# Altium PCB myPCB.PcbDoc (part 2 of 2)
Units mil, origin at the board's own origin, x right, y up, seen from the top; angles counter-clockwise.
Board outline 3914 x 3499.3 mil, 2 copper layers (Top Layer, Bottom Layer); 61 components, 196 nets, 504 pads, 74 vias.
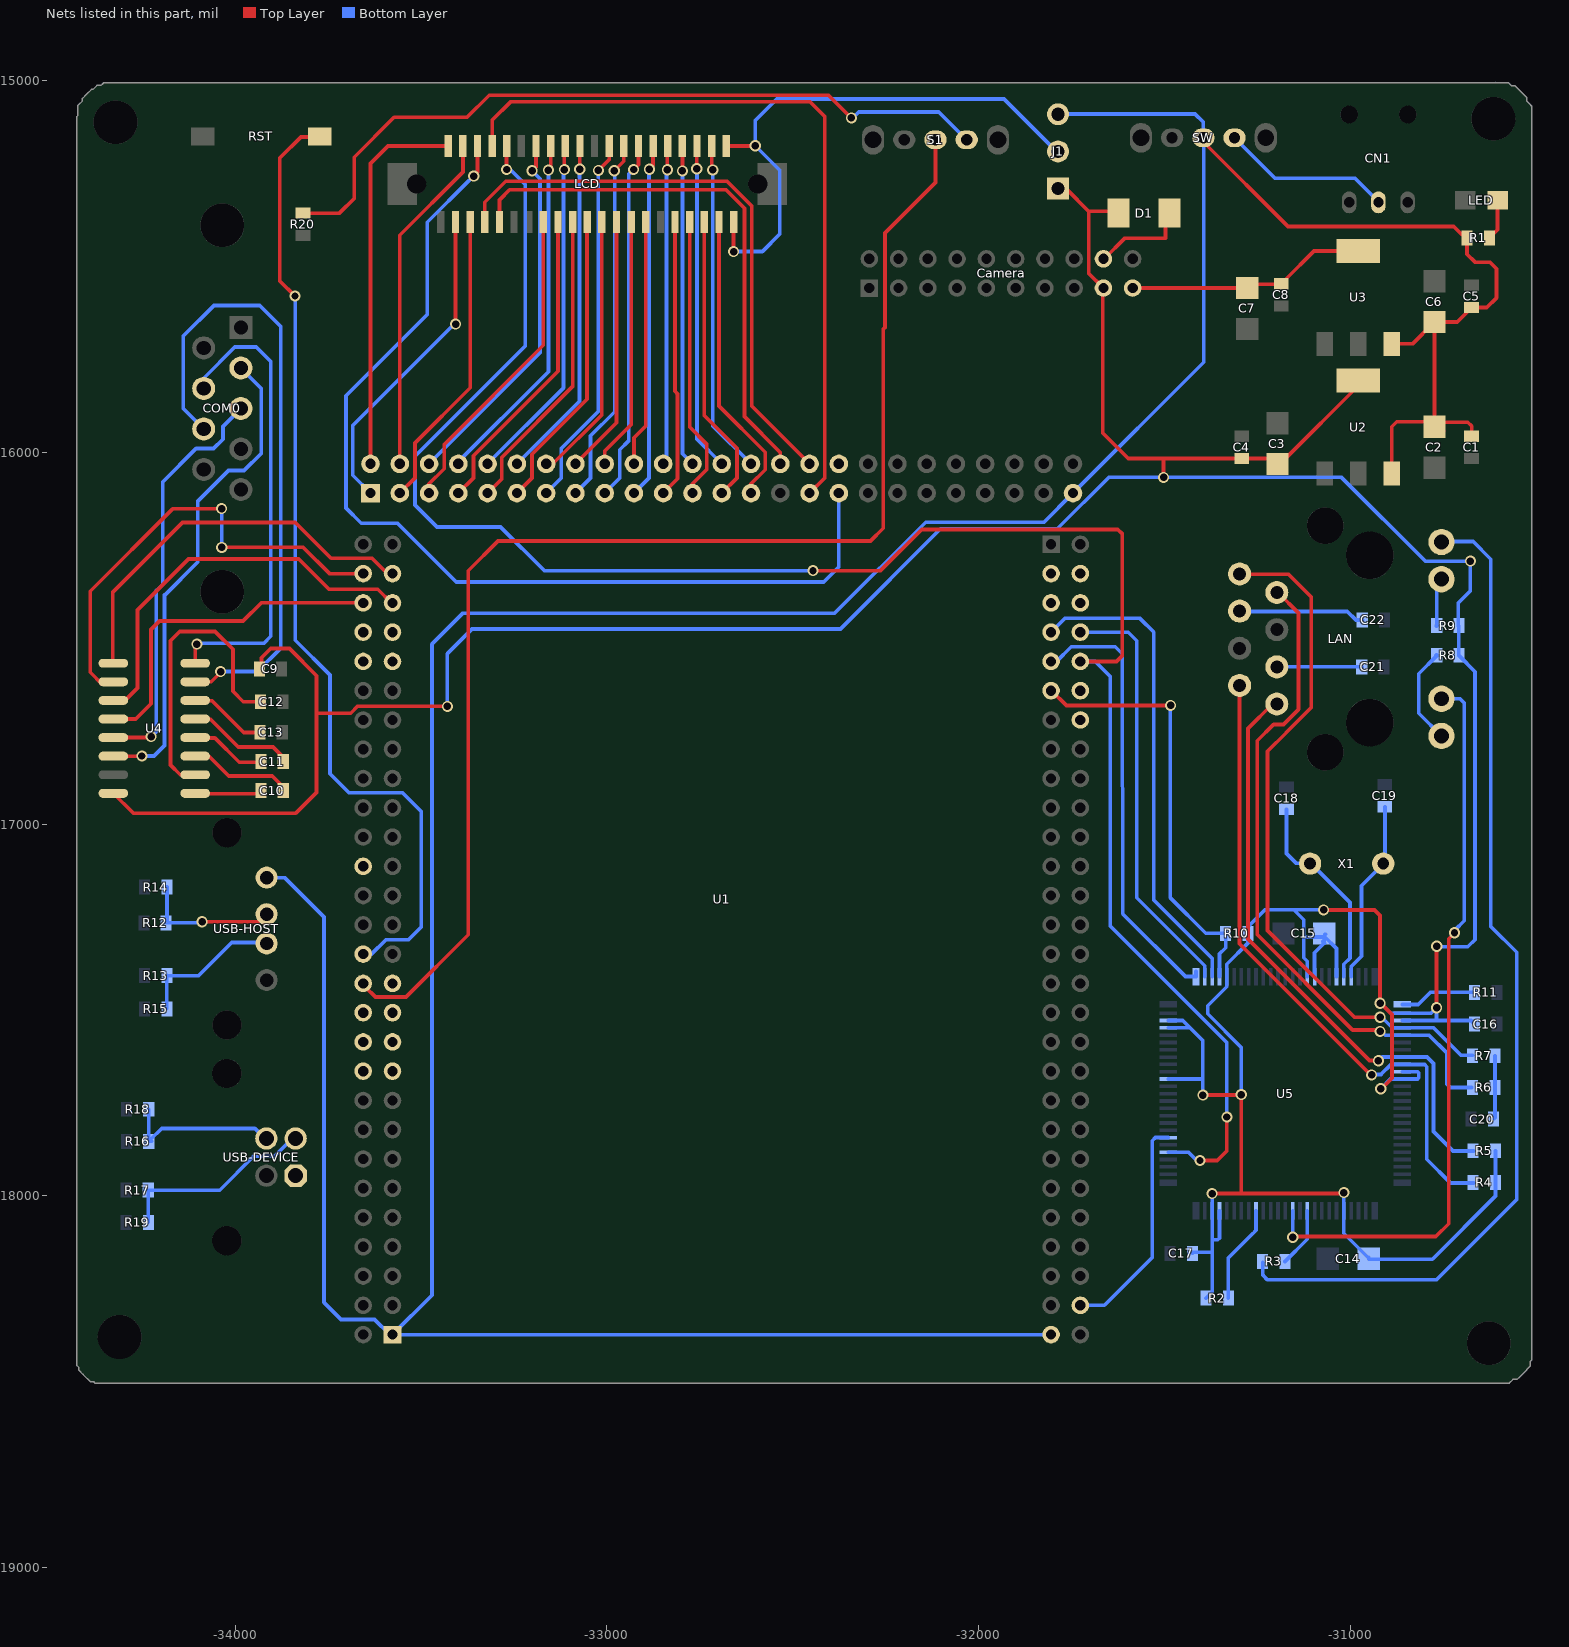
[diagram p2: the nets of this part, all layers, seen from the top]

## Via types
v1: diameter 30, hole 20, Top Layer to Bottom Layer, 73 vias
v2: diameter 30, hole 20, Top Layer to Bottom Layer, tented top, 1 vias

## Nets (pads, with @x,y where several pads share a name; then routed paths per layer and width w, separated by ;. In a path a pad name is that pad's centre, name@x,y a point inside that pad or via, vN(x,y) a via of type N, cw(c..) or ccw(c..) an arc to the next point about the centre after c; other vN are vias at no path point) (continued)
LDATA15: U1.PC54 U5.82 | length 607.4
  Bottom Layer w10: U1.PC54@-31726.39,-18294.87 -31661.68,-18294.87 -31533.08,-18166.26 -31533.08,-17852.21 -31524.41,-17843.54 U5.82@-31489.87,-17843.54
LEND: U1.PB34
LNGCS1: U1.PC3
LNGCS2: U1.PC5
LNGCS3: U1.PC4
LNGCS4: U1.PC7 U5.3 | length 1298.6
  Bottom Layer w10: U1.PC7@-31805.13,-16483.84 -31768.11,-16446.82 -31566.03,-16446.82 -31529.07,-16483.77 -31529.07,-16493.32 -31529.12,-17168.46 -31529.12,-17204.69 -31371.76,-17362.05 U5.3@-31371.76,-17410.47
LNOE: U1.PC9 U5.1 | length 1196.2
  Bottom Layer w10: U1.PC9@-31805.13,-16562.58 -31790.16,-16562.58 -31750.81,-16523.24 -31632.2,-16523.24 -31613.44,-16542 -31613.44,-16560.89 -31612.32,-17241.7 -31443.55,-17410.47 U5.1@-31415.06,-17410.47 U5.1@-31415.06,-17396.94
LNWBE1: U1.PC6
LNWE: U1.PC8 U5.2 | length 1140.9
  Bottom Layer w10: U1.PC8@-31726.39,-16483.84 -31597.49,-16483.84 -31574.45,-16506.88 -31574.45,-16509.06 -31574.38,-17182.39 -31574.38,-17198.34 -31391.44,-17381.28 U5.2@-31391.44,-17410.47
M_NRESET: RST.1 U1.PA28 | length 2631.9
  Top Layer w10: v1(-33839.13,-15579.5) -33880.4,-15538.23 -33880.4,-15208.79 -33823.2,-15151.59 -33773.81,-15151.59 RST.1@-33772.64,-15150.43
  Bottom Layer w10: v1@-33838.78,-15575.77 -33838.23,-15576.31 -33838.23,-16505.61 -33744.71,-16599.13 -33744.71,-16864.7 -33693.73,-16915.68 -33549.97,-16915.68 -33499.52,-16966.13 -33499.52,-17277 -33533.59,-17311.07 -33594.28,-17311.07 -33633.19,-17349.98 U1.PA28@-33655.53,-17349.98
NCTS0: U1.PA53 U4.9 | length 1085.4
  Top Layer w10: U4.9@-34327.69,-16567.44 -34329,-16566.13 -34329,-16376 -34141.97,-16188.97 -33838.12,-16188.97 -33741.85,-16285.24 -33632.17,-16285.24 -33591.04,-16326.36 U1.PA53@-33576.79,-16326.36 U1.PA53@-33576.79,-16319.49
NETACT: LAN.10 U5.62 | length 1991.1
  Top Layer w10: v1@-31156.35,-18109.93 -30769.96,-18109.93 -30735.34,-18075.31 -30735.34,-17308.52 v1@-30719.9,-17293.08
  Bottom Layer w10: U5.62@-31155.22,-18040.39 -31155.22,-18111.48 v1(-31155.03,-18111.67) ; LAN.10@-30754.84,-16663.02 -30704.77,-16663.02 -30693.48,-16674.31 -30693.48,-17260.36 -30718.16,-17285.04 v1@-30718.16,-17293.79
  other v1: -30719.81,-17292.55
NetC10_1: C10.1 U4.3 | length 290.7
  Top Layer w10: U4.3@-34123.69,-16818.44 -34107.69,-16818.44 -34069.56,-16818.44 -34017,-16871 -33900,-16871 C10.1@-33868,-16903
NetC10_2: C10.2 U4.1 | length 193.1
  Top Layer w10: U4.1@-34123.69,-16918.44 -34107.69,-16918.44 -33935.44,-16918.44 C10.2@-33932,-16915
NetC11_1: C11.1 U4.5 | length 294.8
  Top Layer w10: U4.5@-34123.69,-16718.44 -34107.69,-16718.44 -34066.56,-16718.44 -33992,-16793 -33898,-16793 C11.1@-33871,-16820
NetC11_2: C11.2 U4.4 | length 218.8
  Top Layer w10: U4.4@-34123.69,-16768.44 -34107.69,-16768.44 -34054.56,-16768.44 -33989,-16834 C11.2@-33932,-16834
NetC12_2: C12.2 U4.2 | length 808.6
  Top Layer w10: U4.2@-34107.69,-16867.44 -34147.56,-16867.44 -34174,-16841 -34174,-16507 -34149,-16482 -34054,-16482 -34006,-16530 -34006,-16643 -33978,-16671 ; -33978.21,-16671.21 C12.2@-33931.74,-16671.21
NetC13_2: C13.2 U4.6 | length 225.1
  Top Layer w10: U4.6@-34123.69,-16668.44 -34107.69,-16668.44 -34062.56,-16668.44 -33977,-16754 C13.2@-33934,-16754
NetC18_1: C18.1 U5.21 X1.1 | length 550.6
  Bottom Layer w10: C18.1@-31171.58,-16960.26 -31171.58,-17079.57 -31145.94,-17105.21 -31106.79,-17105.21 -31000.78,-17211.22 -31000.78,-17360.81 -31017.46,-17377.49 U5.21@-31017.46,-17410.29
NetC19_1: C19.1 U5.22 X1.2 | length 494.8
  Bottom Layer w10: U5.22@-30997.74,-17410.47 -30997.74,-17383.23 -30970.22,-17355.71 -30970.22,-17166.22 -30906.79,-17102.79 -30906.79,-16954.28 C19.1@-30907.42,-16953.65
NetC20_1: C20.1 R6.1 R7.1 | length 169.8
  Bottom Layer w10: C20.1@-30613.78,-17792.09 -30611.01,-17789.33 R6.1@-30611.01,-17708.68 R7.1@-30611.01,-17623.48
NetC21_1: C21.1 LAN.3 | length 229.9
  Bottom Layer w10: LAN.3@-31197.76,-16577.2 -30968.43,-16577.2 C21.1@-30968.03,-16577.59
NetC22_1: C22.1 LAN.6 | length 340.3
  Bottom Layer w10: LAN.6@-31298,-16428 -31008,-16428 -30984.6,-16451.4 C22.1@-30967.38,-16451.4
NetCN1_2: CN1.2 SW.2 | length 480.8
  Top Layer w10: CN1.2@-30936.09,-15343.93 -30924.48,-15332.33 CN1.2@-30924.48,-15327.53
  Bottom Layer w10: SW.2@-31311.36,-15153.89 -31202.48,-15262.76 -30987.44,-15262.76 CN1.2@-30923.37,-15326.83
NetLAN_9: LAN.9 R8.1 | length 262
  Bottom Layer w10: R8.1@-30769.24,-16546.76 R8.1@-30768,-16545.53 ; R8.1@-30768,-16548 -30816,-16596 -30816,-16701.87 LAN.9@-30754.84,-16763.02
NetLAN_11: LAN.11 R9.1 | length 132.9
  Bottom Layer w10: R9.1@-30768,-16468 -30766.74,-16466.74 -30767.67,-16465.8 -30767.67,-16354.2 LAN.11@-30754.84,-16341.37
NetLED_1: LED.1 R1.1 | length 110.5
  Top Layer w10: R1.1@-30625.87,-15423.37 -30603.89,-15401.4 LED.1@-30603.89,-15321.99
NETLINK: LAN.12 R3.1 | length 2720.6
  Bottom Layer w10: R3.1@-31235.61,-18179.73 -31235.92,-18180.05 -31235.92,-18212.18 -31235.22,-18212.89 ; -31234.93,-18213.95 -31222.52,-18226.36 -30768.79,-18226.36 -30588.89,-18046.46 ; LAN.12@-30756,-16242 LAN.12@-30755.74,-16242.26 ; LAN.12@-30756,-16240 -30669.49,-16240 -30621.96,-16287.53 -30621.96,-17275.58 -30552.46,-17345.08 -30552.46,-17365.13 ; -30589.49,-18047 -30552.36,-18009.88 -30552.36,-17361.5
NetR2_1: R2.1 U5.67 | length 266.5
  Bottom Layer w10: R2.1@-31328.1,-18275.59 -31328.1,-18166.74 -31263.46,-18102.1 -31262.73,-18102.1 -31253.65,-18093.01 U5.67@-31253.65,-18040.39
NetR3_2: R3.2 U5.60 | length 168.1
  Bottom Layer w10: R3.2@-31175.92,-18176.81 -31115.89,-18116.77 -31115.89,-18094.17 ; -31115.86,-18101.46 U5.60@-31115.86,-18040.9
NetR11_2: R11.2 U5.26 | length 210.7
  Bottom Layer w10: U5.26@-30859.94,-17485.28 -30817.04,-17485.28 -30784.62,-17452.85 R11.2@-30662.67,-17452.85
NetR12_1: R12.1 R14.1 USB-HOST.2 | length 374.4
  Top Layer w10: v1(-34088.87,-17262.79) -33936.07,-17262.79 USB-HOST.2@-33917.08,-17243.79
  Bottom Layer w10: R12.1@-34185.63,-17265.97 -34093.5,-17265.97 v1@-34088.88,-17261.34 ; R14.1@-34183.47,-17169.58 -34183.47,-17263.53 R12.1@-34182,-17265
NetR13_1: R13.1 R15.1 USB-HOST.3 | length 398.9
  Bottom Layer w10: R15.1@-34183.69,-17497.31 -34183.69,-17411.83 -34185.55,-17409.97 R13.1@-34183.52,-17407.94 ; R13.1@-34183.69,-17407.94 R13.1@-34183.52,-17407.94 ; R13.1@-34182.63,-17407.05 R13.1@-34183.52,-17407.94 ; USB-HOST.3@-33914.07,-17318.51 -34009.43,-17318.51 -34098.87,-17407.94 R13.1@-34183.52,-17407.94
NetR16_2: R16.2 R18.2 USB-DEVICE.3 | length 437.7
  Bottom Layer w10: R18.2@-34232.54,-17767.36 -34232.54,-17845.46 R16.2@-34228.39,-17849.61 ; USB-DEVICE.3@-33919,-17847 -33947,-17819 -34197.78,-17819 R16.2@-34228.39,-17849.61 ; R16.2@-34228.39,-17849.61 -34224.24,-17853.76 R16.2@-34232.54,-17853.76 R16.2@-34228.39,-17849.61
NetR17_2: R17.2 R19.1 USB-DEVICE.2 | length 533.2
  Bottom Layer w10: R19.1@-34233.95,-18070.42 -34233.63,-18070.1 R17.2@-34233.63,-17985.03 -34041.53,-17985.03 -33950.5,-17894 -33894,-17894 -33845,-17845 USB-DEVICE.2@-33844,-17845
NetR20_1: R20.1 S1.4 | length 2047
  Top Layer w10: R20.1@-33817.71,-15356.6 -33719.23,-15356.6 -33679.62,-15316.99 -33679.62,-15206.07 -33572.38,-15098.83 -33376.17,-15098.83 -33316.61,-15039.26 -32403.66,-15039.26 v1(-32342.36,-15100.56)
  Bottom Layer w10: v1@-32340.35,-15102.37 -32322.49,-15084.51 -32106.93,-15084.51 S1.4@-32029.82,-15161.61
NRESET: LCD.32 U1.PC10 U5.80 | length 5277.5
  Top Layer w10: v1(-33269.94,-15239.25) -33269.94,-15176.39 LCD.32@-33269.37,-15175.83 ; v1(-32445.51,-16318.33) -32263.94,-16318.33 -32153.03,-16207.42 -31625.47,-16207.42 -31613.26,-16219.62 -31613.26,-16546.57 -31629.27,-16562.58 U1.PC10@-31726.39,-16562.58 U1.PC10@-31726.39,-16569.6 ; v2(-31404.42,-17905.16) -31357.96,-17905.16 -31332.24,-17879.44 v1(-31332.24,-17788.1)
  Bottom Layer w10: v1(-33269.94,-15239.25) -33260.21,-15239.25 -33219.81,-15279.65 -33219.81,-15713.93 -33516.36,-16010.48 -33516.36,-16141.49 -33457.15,-16200.7 -33286.07,-16200.7 -33168.44,-16318.33 v1(-32445.51,-16318.33) ; U1.PC10@-31726.39,-16562.58 -31686.15,-16562.58 -31646.21,-16602.52 -31646.21,-17273.63 -31332.24,-17587.6 v1(-31332.24,-17788.1) ; U5.80@-31489.87,-17882.91 -31435.12,-17882.91 -31412.88,-17905.16 v2(-31404.42,-17905.16)
NRTS0: U1.PA54 U4.10 | length 1221.9
  Top Layer w10: U4.10@-34358,-16624 -34390,-16592 -34390,-16374 -34168.23,-16152.23 v1@-34037.23,-16152.23 ; v1(-34036.21,-16255.78) -33817.15,-16255.78 -33746.56,-16326.36 U1.PA54@-33655.53,-16326.36
  Bottom Layer w10: v1(-34036.21,-16255.78) v1@-34036.21,-16151.65
  other v1: -34036.43,-16151.43
NWAIT: R10.2 U1.PC11 U5.4 | length 1167.5
  Top Layer w10: U1.PC11@-31805.13,-16641.32 -31803.66,-16641.32 -31763.92,-16681.06 v1(-31483.46,-16681.06)
  Bottom Layer w10: v1(-31483.46,-16681.06) -31484.13,-16681.73 -31484.13,-17198.71 -31388.76,-17294.08 R10.2@-31335.37,-17294.08 -31335.37,-17332.56 -31351.71,-17348.91 -31351.71,-17373.43 ; U5.4@-31352.07,-17410.47 U5.4@-31352.07,-17410 ; U5.4@-31352,-17410 -31352,-17373.43
NXDACK0: U1.PC12
NXDREQ0: U1.PC14
OM0: S1.3 U1.PA26 | length 3613.7
  Top Layer w10: U1.PA26@-33649.86,-17428.72 -33649.86,-17438.42 -33622.84,-17465.44 -33540.23,-17465.44 -33372.85,-17298.06 -33372.85,-16318.67 -33293.05,-16238.86 -32290.77,-16238.86 -32256.52,-16204.61 -32256.52,-15668.59 -32252,-15664.07 ; -32251.95,-15664.02 -32251.95,-15409.98 -32116.01,-15274.03 S1.3@-32116.01,-15159.29
RSCTS0: COM0.7 U4.8 | length 1258.7
  Top Layer w10: U4.8@-34107.69,-16567.44 -34107.69,-16529.69 v1(-34103,-16516) v1@-34103.08,-16516 ; v1@-34103.06,-16516.02 v1@-34102.62,-16516.02
  Bottom Layer w10: v1@-34104,-16514 -33922.87,-16514 -33904,-16495.13 -33904,-15756 -33943,-15717 -34001,-15717 -34084.63,-15800.63 COM0.7@-34084.63,-15828.16
RSRTS0: COM0.8 U4.7 | length 1766.1
  Top Layer w10: U4.7@-34123.69,-16618.44 U4.7@-34082.44,-16618.44 ; U4.7@-34107.69,-16617.44 -34064.44,-16617.44 v1@-34039,-16592
  Bottom Layer w10: COM0.8@-34084.63,-15937.16 -34140,-15881.79 -34140,-15688 -34057,-15605 -33934,-15605 -33877,-15662 -33877,-16526.11 -33940.72,-16589.83 v1@-34039,-16589.83
  other v1: -34039,-16590
RSRXD0: COM0.3 U4.13 | length 1108.4
  Top Layer w10: U4.13@-34327.69,-16767.44 -34229.44,-16767.44 v1@-34229,-16767
  Bottom Layer w10: v1(-34226,-16765) -34212,-16751 -34212,-16371 ; -34210,-16371 -34195,-16356 -34195,-16080 -34105,-15990 -34058,-15990 -34033,-15965 -34033,-15930.53 COM0.3@-33984.63,-15882.16
RSTXD0: COM0.2 U4.14 | length 1306.4
  Top Layer w10: U4.14@-34327.69,-16817.44 -34266.56,-16817.44 -34266,-16818
  Bottom Layer w10: v1(-34251,-16817) -34218,-16817 -34190,-16789 -34190,-16388 ; -34190,-16384 -34189,-16384 -34101,-16296 -34101,-16132 -34018,-16049 -33976,-16049 -33930,-16003 -33930,-15828 -33984.73,-15773.27 COM0.2@-33988,-15770
RX+: LAN.8 R7.2 U5.29 | length 1854.3
  Top Layer w10: LAN.8@-31298,-16328 -31166,-16328 -31105.01,-16388.99 -31105.01,-16686.46 -31172.47,-16753.92 ; -31172.67,-16754.29 -31222.56,-16804.19 -31222.56,-17286.46 -30989.03,-17520 v1(-30920,-17520)
  Bottom Layer w10: v1(-30920,-17520) -30915.45,-17520 -30887.19,-17548.27 U5.29@-30859.94,-17548.27 ; U5.29@-30859.94,-17548 -30775.94,-17548 -30701.53,-17622.41 R7.2@-30671.47,-17622.41
RX-: LAN.7 R6.2 U5.30 | length 1802
  Top Layer w10: LAN.7@-31194,-16378 -31139.62,-16432.38 -31139.62,-16691.62 -31180,-16732 -31206.36,-16732 -31250.36,-16776 -31250.36,-17297.44 -30993.8,-17554 v1@-30920,-17554
  Bottom Layer w10: v1@-30922,-17554 -30920,-17554 -30906,-17568 -30788,-17568 -30740.15,-17615.85 -30740.15,-17699.85 -30731.05,-17708.95 R6.2@-30673.25,-17708.95
  other v1: -30920,-17558
RXD0: U1.PA52 U4.12 | length 918.8
  Top Layer w10: U4.12@-34327.69,-16717.44 -34267.3,-16717.44 -34226.57,-16676.71 -34226.57,-16476.61 -34203.83,-16453.87 -33978.71,-16453.87 -33929.94,-16405.1 U1.PA52@-33655.53,-16405.1
RXD1: U1.PA50
RXD2: U1.PA48
SDCLK: U1.PA20
SDCMD: U1.PA21
SDDATA0: U1.PA24
SDDATA1: U1.PA25
SDDATA2: U1.PA22
SDDATA3: U1.PA23
TSXM: LCD.37 U1.PB3 | length 811.6
  Top Layer w10: U1.PB3@-33560.33,-16109.1 -33557.1,-16109.1 U1.PB3@-33557.1,-16109.83 -33516.36,-16069.09 -33516.36,-15975.09 -33367.8,-15826.52 LCD.37@-33367.8,-15380.56
TSXP: LCD.38 U1.PB4 | length 926
  Top Layer w10: U1.PB4@-33557.1,-16031.09 -33557.1,-15416.35 -33386.95,-15246.19 -33386.95,-15176.37 LCD.38@-33387.48,-15175.83
TSYM: LCD.39 U1.PB1 | length 880.1
  Top Layer w10: U1.PB1@-33651.11,-16109.83 U1.PB1@-33635.84,-16109.83 ; v1@-33407.13,-15655.25 -33407.13,-15380.59 LCD.39@-33407.17,-15380.56
  Bottom Layer w10: U1.PB1@-33635.84,-16109.83 -33683.68,-16061.99 -33683.68,-15927.85 v1@-33409.1,-15653.28
  other v1: -33406.98,-15655.25
TSYP: LCD.40 U1.PB2 | length 1036.6
  Top Layer w10: U1.PB2@-33635.84,-16031.09 -33635.84,-15222.97 -33588.7,-15175.83 LCD.40@-33426.85,-15175.83
TX+: LAN.1 R5.1 U5.33 | length 1632.7
  Top Layer w10: LAN.1@-31198,-16678 -31210,-16678 -31275.24,-16743.24 -31275.24,-17309.31 -30948.54,-17636 v1@-30920,-17636
  Bottom Layer w10: v1(-30924.31,-17636.88) -30914.44,-17627.01 U5.33@-30859.94,-17627.01 -30793.39,-17627.01 -30776.15,-17644.25 -30776.15,-17827.28 -30723.76,-17879.67 R5.1@-30668.51,-17879.67
TX-: LAN.2 R4.1 U5.34 | length 1763.8
  Top Layer w10: LAN.2@-31298,-16630 -31298,-17322.23 -30949.1,-17671.13 -30938.87,-17671.13 v1@-30936,-17674
  Bottom Layer w10: v1@-30942.55,-17673.93 -30917.93,-17673.93 ; -30918,-17674 -30917.93,-17673.93 ; -30917.41,-17673.93 -30917.93,-17673.93 ; R4.1@-30668.57,-17965.88 -30730.16,-17965.88 -30794.17,-17901.87 -30794.17,-17653.07 -30800.55,-17646.69 U5.34@-30859.94,-17646.69 -30890.69,-17646.69 -30917.93,-17673.93
  other v1: -30942.77,-17675.03
TXD0: U1.PA51 U4.11 | length 1070.5
  Top Layer w10: U4.11@-34317,-16669 -34298,-16669 -34263,-16634 -34263,-16424 -34125.85,-16286.85 -33828.97,-16286.85 -33747.6,-16368.22 -33616.42,-16368.22 -33579.54,-16405.1 U1.PA51@-33576.79,-16405.1
TXD1: U1.PA49
TXD2: U1.PA47
USB_5V: USB-DEVICE.1
VCLK: LCD.36 U1.PB33 | length 2727
  Top Layer w10: v1(-33358.28,-15256.94) -33356.95,-15255.62 -33348.11,-15246.77 LCD.36@-33348.11,-15175.83
  Bottom Layer w10: -33370.64,-15268.64 -33483.15,-15381.14 -33483.15,-15629.43 -33701.68,-15847.95 -33701.68,-16149.78 -33660.57,-16190.89 -33563.43,-16190.89 -33405.49,-16348.83 -32416.45,-16348.83 -32376,-16308.37 U1.PB33@-32376,-16109.83
VD0: LCD.3 U1.PB27 | length 814.4
  Top Layer w10: LCD.3@-32698.51,-15380.56 -32698.51,-15875.49 -32574.22,-15999.78 -32574.22,-16046.83 -32612.22,-16084.83 U1.PB27@-32612.22,-16109.83 U1.PB27@-32630.1,-16109.83
VD1: LCD.4 U1.PB28 | length 889.9
  Top Layer w10: LCD.4@-32718.19,-15175.83 -32718.19,-15237.4 v1(-32715.28,-15240.31)
  Bottom Layer w10: v1@-32715.76,-15249.76 -32715.54,-15249.98 -32715.54,-15927.76 U1.PB28@-32612.22,-16031.09
VD2: LCD.5 U1.PB25 | length 799.7
  Top Layer w10: LCD.5@-32737.88,-15380.56 -32737.88,-15901.07 -32650.09,-15988.86 -32650.09,-16015.08 -32650.22,-16015.21 -32650.22,-16069.09 U1.PB25@-32690.96,-16109.83 U1.PB25@-32708.05,-16109.83
VD3: LCD.6 U1.PB26 | length 883.5
  Top Layer w10: v1(-32758.32,-15237.31) -32758.32,-15176.59 LCD.6@-32757.56,-15175.83
  Bottom Layer w10: v1(-32758.32,-15237.31) -32757.72,-15237.92 -32757.72,-15964.33 U1.PB26@-32690.96,-16031.09
VD4: LCD.7 U1.PB23 | length 769.6
  Top Layer w10: LCD.7@-32777.25,-15380.56 -32777.25,-15932 -32731.7,-15977.55 -32731.7,-16046.83 -32769.7,-16084.83 U1.PB23@-32769.7,-16109.83 U1.PB23@-32775.4,-16109.83
VD5: LCD.8 U1.PB24 | length 866.5
  Top Layer w10: LCD.8@-32796.93,-15175.83 -32796.75,-15176.01 v1(-32796.75,-15242.89)
  Bottom Layer w10: v1(-32796.75,-15242.89) -32796.75,-16004.04 U1.PB24@-32769.7,-16031.09
VD6: LCD.9 U1.PB21 | length 748.1
  Top Layer w10: U1.PB21@-32848.44,-16109.83 -32809.81,-16071.2 -32809.81,-15842.83 -32816.62,-15836.02 LCD.9@-32816.62,-15380.56
VD7: LCD.10 U1.PB22 | length 856.1
  Top Layer w10: v1(-32837.36,-15239.84) -32837.36,-15176.89 LCD.10@-32836.3,-15175.83
  Bottom Layer w10: v1@-32839.86,-15239.56 -32839.86,-16030.84 U1.PB22@-32839.6,-16031.09
VD8: LCD.12 U1.PB19 | length 959.8
  Top Layer w10: U1.PB19@-32927.18,-16109.83 U1.PB19@-32922.39,-16109.83 ; v1(-32885.76,-15238.57) -32885.76,-15238.22 -32875.67,-15228.13 LCD.12@-32875.67,-15175.83
  Bottom Layer w10: U1.PB19@-32927.18,-16109.83 -32886.44,-16069.09 v1@-32886.44,-15238.57
VD9: LCD.13 U1.PB20 | length 663.7
  Top Layer w10: U1.PB20@-32927.18,-16031.09 -32927.18,-15960.92 -32895.36,-15929.09 LCD.13@-32895.36,-15380.56
VD10: LCD.14 U1.PB17 | length 973.3
  Top Layer w10: U1.PB17@-33005.92,-16109.83 U1.PB17@-33005.92,-16108.38 ; v1(-32928.06,-15239.15) -32915.04,-15226.14 LCD.14@-32915.04,-15175.83
  Bottom Layer w10: U1.PB17@-33005.92,-16109.83 -32965.18,-16069.09 -32965.18,-15993.09 -32941.55,-15969.45 -32941.55,-15256.43 ; -32941.41,-15256.29 -32941.55,-15256.43 ; v1(-32928.06,-15239.15) -32941.55,-15252.64 -32941.55,-15256.43
VD11: LCD.15 U1.PB18 | length 680.1
  Top Layer w10: U1.PB18@-33005.92,-16031.09 -33005.92,-15996.72 -32934.58,-15925.38 -32934.58,-15380.7 LCD.15@-32934.73,-15380.56
VD12: LCD.16 U1.PB15 | length 992.6
  Top Layer w10: U1.PB15@-33091.84,-16109.83 U1.PB15@-33084.66,-16109.83 ; v1(-32980.34,-15242.71) -32954.41,-15216.78 LCD.16@-32954.41,-15175.83
  Bottom Layer w10: U1.PB15@-33084.66,-16109.83 -33043.92,-16069.09 -33043.92,-15955.65 -32979.01,-15890.74 v1@-32979.01,-15245.86
VD13: LCD.17 U1.PB16 | length 696.3
  Top Layer w10: U1.PB16@-33084.66,-16031.09 -32974.1,-15920.52 LCD.17@-32974.1,-15380.56
VD14: LCD.18 U1.PB13 | length 995
  Top Layer w10: v1(-33022.95,-15241.58) -32993.78,-15212.42 LCD.18@-32993.78,-15175.83
  Bottom Layer w10: U1.PB13@-33163.4,-16109.83 -33122.66,-16069.09 -33122.66,-15989.6 -33023.08,-15890.02 -33023.08,-15251.12 v1@-33023.35,-15250.86
VD15: LCD.19 U1.PB14 | length 723.1
  Top Layer w10: U1.PB14@-33163.4,-16031.09 -33145.54,-16031.09 -33013.47,-15899.01 LCD.19@-33013.47,-15380.56
VD16: LCD.21 U1.PB11 | length 815.7
  Top Layer w10: U1.PB11@-33242.14,-16101.81 U1.PB11@-33242.14,-16109.83 -33201.4,-16069.09 -33201.4,-16005.34 -33053.42,-15857.36 -33053.42,-15381.13 LCD.21@-33052.84,-15380.56
VD17: LCD.22 U1.PB12 | length 935
  Top Layer w10: U1.PB12@-33257.19,-16016.03 U1.PB12@-33242.14,-16031.09 ; v1(-33073.13,-15238.72) -33073.13,-15176.44 LCD.22@-33072.52,-15175.83
  Bottom Layer w10: U1.PB12@-33242.14,-16031.09 -33073.47,-15862.42 v1@-33073.47,-15250.35
VD18: LCD.23 U1.PB9 | length 827.6
  Top Layer w10: U1.PB9@-33317.29,-16109.83 U1.PB9@-33320.88,-16109.83 -33282.88,-16071.83 -33282.88,-16013.81 -33092.21,-15823.14 LCD.23@-33092.21,-15380.56
VD19: LCD.24 U1.PB10 | length 929.3
  Top Layer w10: v1(-33114.48,-15239.61) -33114.48,-15178.42 LCD.24@-33111.89,-15175.83
  Bottom Layer w10: U1.PB10@-33320.88,-16031.09 -33116.48,-15826.68 v1@-33116.48,-15251.31
VD20: LCD.25 U1.PB7 | length 858.5
  Top Layer w10: U1.PB7@-33399.62,-16091.64 U1.PB7@-33399.62,-16109.83 -33358.88,-16069.09 -33358.88,-16009.24 -33131.58,-15781.94 LCD.25@-33131.58,-15380.56
VD21: LCD.26 U1.PB8 | length 967.5
  Top Layer w10: U1.PB8@-33405.61,-16031.94 U1.PB8@-33396.9,-16028.37 ; v1(-33157.5,-15240.89) -33157.5,-15241.89 -33151.26,-15235.66 LCD.26@-33151.26,-15175.83
  Bottom Layer w10: U1.PB8@-33405.78,-16031.83 -33156.99,-15783.04 v1@-33156.99,-15246.41
VD22: LCD.27 U1.PB5 | length 863.3
  Top Layer w10: U1.PB5@-33471.62,-16109.83 U1.PB5@-33478.36,-16109.83 -33478.36,-16084.83 -33437.62,-16044.09 -33437.62,-15978.84 -33170.95,-15712.17 LCD.27@-33170.95,-15380.56
VD23: LCD.28 U1.PB6 | length 994.6
  Top Layer w10: v1(-33201.08,-15242.72) -33190.63,-15232.27 LCD.28@-33190.63,-15175.83
  Bottom Layer w10: U1.PB6@-33478.36,-16031.09 -33179.71,-15732.44 -33179.71,-15264.09 v1(-33201.08,-15242.72) -33200.85,-15242.72 v1@-33199.3,-15244.27
VDD5V: C1.1 C2.1 C5.1 C6.1 J1.3 R1.2 SW.3 U1.PA1 U1.PB49 U1.PC55 U2.3 U3.3 USB-HOST.1 | length 10587.2
  Top Layer w10: SW.3@-31395.38,-15151.94 -31395.38,-15164.37 -31167.42,-15392.34 -30721.66,-15392.34 R1.2@-30700,-15414 ; U2.3@-30888.56,-16043.67 -30888.56,-15931.22 -30875.34,-15918 C2.1@-30773.76,-15918 ; U3.3@-30888.56,-15708.31 -30832.54,-15708.31 -30778.06,-15653.83 -30773.76,-15658.14 C2.1@-30773.76,-15918 ; C6.1@-30773.76,-15649.52 -30712.51,-15649.52 C5.1@-30673.63,-15610.64 -30632.86,-15610.64 -30606.81,-15584.6 -30606.81,-15506.39 -30624.57,-15488.63 -30624.34,-15488.4 -30664.45,-15488.4 -30685.87,-15466.98 R1.2@-30685.87,-15423.37 ; C2.1@-30748.73,-15943.02 C2.1@-30772.41,-15919.34 ; C1.1@-30673.63,-15956.63 -30673.63,-15929.54 -30683.83,-15919.34 C2.1@-30772.41,-15919.34 ; C2.1@-30773.76,-15918 C2.1@-30772.41,-15919.34
  Bottom Layer w10: USB-HOST.1@-33915.38,-17144.22 -33866.78,-17144.22 -33861.6,-17149.4 ; -33864.47,-17146.35 -33761,-17249.82 -33761,-18286.87 -33715.04,-18332.83 -33625.01,-18332.83 -33584.23,-18373.61 U1.PC55@-31805.13,-18373.61 ; U1.PA1@-33576.79,-18373.61 -33470.63,-18267.45 -33470.63,-16516.03 -33387.28,-16432.68 -32387.14,-16432.68 -32142.34,-16187.89 -31824.14,-16187.89 U1.PB49@-31746.08,-16109.83 -31394.28,-15758.02 -31394.28,-15710.77 -31394.39,-15710.66 -31394.39,-15638.45 -31394.28,-15638.34 -31394.28,-15598.27 -31394.47,-15598.08 SW.3@-31394.47,-15154.43 ; J1.3@-31784.85,-15089.77 -31417.76,-15089.77 -31395.36,-15112.18 SW.3@-31395.36,-15153.89
VDD18V: C7.1 C8.1 Camera.19 U3.4 | length 631.7
  Top Layer w10: Camera.19@-31585.41,-15558.1 C7.1@-31277.02,-15558.1 -31266.49,-15547.58 C8.1@-31186.95,-15547.58 ; C8.1@-31175.28,-15535.9 -31097.69,-15458.31 U3.4@-30978.56,-15458.31
VDD33V: C3.1 C4.1 C9.1 C14.1 C15.1 C16.1 C17.1 Camera.17 D1.1 J1.1 R2.2 R4.2 R5.2 R8.2 R9.2 R10.1 U2.4 U4.16 U5.5 U5.16 U5.17 U5.20 U5.27 U5.28 U5.35 U5.36 U5.55 U5.72 U5.73 U5.90 U5.97 U5.98 | length 12429.5
  Top Layer w10: U4.16@-34327.69,-16917.44 -34274.45,-16970.68 -33836.68,-16970.68 -33781,-16915 -33781,-16701.72 ; C9.1@-33929,-16573 -33929,-16553 -33904,-16528 -33853.92,-16528 -33781,-16600.92 -33781,-16701.72 ; v1(-33429.15,-16683.59) -33429.3,-16683.44 -33670.7,-16683.44 -33688.98,-16701.72 -33781,-16701.72 ; J1.1@-31786.23,-15293.11 -31762.2,-15293.11 -31704,-15351.32 -31704,-15518.25 Camera.17@-31664.15,-15558.1 ; -31701.22,-15351.32 -31630.33,-15351.32 D1.1@-31629.74,-15350.72 ; Camera.17@-31666,-15558 -31666,-15948 -31597.13,-16016.87 -31503.68,-16016.87 ; v1(-31502.43,-16067.43) -31502.43,-16018.12 -31503.68,-16016.87 ; v1@-31396.22,-17729.24 v1@-31294.73,-17729.24 ; v1(-31371.76,-17994.24) -31021.89,-17994.24 v1@-31018.25,-17990.6 ; v1(-31293.32,-17727.84) -31293.32,-17993.68 -31292.76,-17994.24 ; C3.1@-31196,-16031.61 -31210.74,-16016.87 C4.1@-31292.21,-16016.87 -31503.68,-16016.87 ; C3.1@-31196,-16018 -31175.89,-16018 -30978.56,-15820.68 U2.4@-30978.56,-15793.67 ; v1(-31071.71,-17231.15) -30935.23,-17231.15 -30920,-17246.38 -30920,-17480.4 -30888,-17512.4 -30888,-17684 v1@-30917,-17713 ; v1(-30768.04,-17494.07) v1@-30768.04,-17329.68
  Bottom Layer w10: v1(-33429.15,-16683.59) -33429.15,-16541.63 -33362.99,-16475.47 -32371.77,-16475.47 -32102.19,-16205.89 -31788.4,-16205.89 -31649.94,-16067.43 v1(-31502.43,-16067.43) -31023.51,-16067.43 -30798.01,-16292.94 v1@-30677.28,-16292.94 ; U5.90@-31489.87,-17686.06 -31396.76,-17686.06 -31396.66,-17685.96 ; U5.97@-31489.87,-17548 -31432.87,-17548 ; U5.98@-31489.87,-17528.58 -31450.87,-17528.58 -31396.66,-17582.8 -31396.66,-17685.96 ; C17.1@-31425.04,-18155.07 -31421.66,-18151.68 -31371.76,-18151.68 ; v1(-31396.66,-17729.24) -31396.66,-17685.96 ; R2.2@-31388.1,-18275.59 -31371.76,-18259.24 v1(-31371.76,-17994.24) ; -31371.76,-18118.68 -31356.88,-18118.68 -31352.07,-18113.87 U5.72@-31352.07,-18040.39 ; v1(-31293.32,-17727.84) -31293.32,-17601.06 -31383.79,-17510.6 -31383.79,-17489.12 -31332.39,-17437.72 -31332.39,-17377.26 -31275.37,-17320.24 R10.1@-31275.37,-17294.08 ; R10.1@-31274.39,-17275.58 -31229.39,-17230.57 v1@-31072.28,-17230.57 ; -31152.47,-17230.57 -31125.32,-17257.72 -31125.32,-17359.66 -31115.85,-17369.13 U5.16@-31115.85,-17410.47 ; -31125.32,-17303.95 -31072.15,-17303.95 C15.1@-31070,-17301.8 ; U5.17@-31096.17,-17410.47 -31096.17,-17346.17 -31070,-17320 C15.1@-31070,-17301.8 ; C15.1@-31074,-17316 C15.1@-31069,-17321 ; C15.1@-31067.88,-17296.57 C15.1@-31066.53,-17296.57 ; U5.20@-31037.11,-17410.47 -31037.11,-17334.69 C15.1@-31070,-17301.8 ; v1(-31017.43,-17991.43) -31017.43,-18100.97 -30953.14,-18165.26 C14.1@-30950.9,-18165.26 ; C14.1@-30950.3,-18170.81 -30779.3,-18170.81 -30609.54,-18001.05 R5.2@-30609.54,-17879.12 ; v1@-30918,-17482 -30891.1,-17508.9 U5.27@-30859.94,-17508.9 -30782.87,-17508.9 v1(-30768.04,-17494.07) -30768.04,-17526.47 -30769.33,-17527.77 ; v1@-30917.88,-17712 -30891.94,-17686.06 -30819.01,-17686.06 -30815.72,-17682.77 -30815.72,-17669.45 -30818.79,-17666.38 U5.35@-30859.94,-17666.38 ; U5.28@-30859.94,-17528.58 -30675.13,-17528.58 C16.1@-30665.67,-17538.04 ; v1@-30767.68,-17330.34 -30683.82,-17330.34 -30664.65,-17311.17 -30664.65,-16590.35 -30708,-16547 -30708,-16468 -30710,-16466 -30710,-16406 -30677.28,-16373.28 v1@-30677.28,-16292.94 ; v1(-30676.87,-16292.52) v1@-30677.28,-16292.94 ; R4.2@-30610.35,-17965.12 R4.2@-30609.54,-17964.31 ; R4.2@-30609.54,-17965.33 R4.2@-30608.98,-17965.9
  other v1: -30918,-17712 -30920,-17482 -30767.68,-17328.87
VDD_CAM: Camera.18 D1.2 | length 255.9
  Top Layer w10: Camera.18@-31664.15,-15479.36 -31661.89,-15479.36 -31606.33,-15423.81 -31497.03,-15423.81 D1.2@-31497.03,-15358.05
VDDLCD: J1.2 LCD.1 LCD.2 | length 1543.5
  Top Layer w10: LCD.2@-32678.82,-15175.83 v1@-32600.85,-15175.83 ; v1@-32659.19,-15458.38 -32659.19,-15459.92 v1(-32659.14,-15459.98) LCD.1@-32659.14,-15380.56
  Bottom Layer w10: v1(-32659.14,-15459.98) -32581.68,-15459.98 -32534.69,-15412.99 -32534.69,-15241.4 v1(-32600.85,-15175.23) -32600.85,-15107.14 -32543.27,-15049.56 -31931.37,-15049.56 J1.2@-31787.41,-15193.52 ; v1@-32600.85,-15168.38 v1@-32593.52,-15175.71
VDDRTC: U1.PA34
VFRAME: LCD.34 U1.PB31 | length 2031
  Top Layer w10: LCD.34@-33308.74,-15175.83 -33308.74,-15106.57 -33259.44,-15057.26 -32453.08,-15057.26 -32414,-15096.34 -32414,-16069.09 U1.PB31@-32454.74,-16109.83
VLINE: LCD.35 U1.PB32 | length 1580.2
  Top Layer w10: LCD.35@-33328.43,-15380.56 -33328.43,-15327.22 -33272.27,-15271.06 -32676.78,-15271.06 -32609.93,-15337.91 -32609.93,-15875.9 U1.PB32@-32454.74,-16031.09
VM: LCD.33 U1.PB30 | length 1480.9
  Top Layer w10: LCD.33@-33289.06,-15380.56 -33289.06,-15320.97 -33261.62,-15293.54 -32679.76,-15293.54 -32629.85,-15343.45 -32629.85,-15903.99 -32533.48,-16000.36 U1.PB30@-32533.48,-16031.09 U1.PB30@-32531.69,-16029.29
WP_SD: U1.PA19
pads on no net: CN1.A CN1.B COM0. COM0.1 COM0.4 COM0.6 COM0.9 LAN.C LAN.D LCD.A LCD.B LCD.C LCD.D S1.1 S1.2 S1.5 SW.1 SW.4 SW.5 U2.2 U3.2 U5.24 U5.37 U5.38 U5.39 U5.40 U5.41 U5.43 U5.44 U5.45 U5.46 U5.47 U5.49 U5.50 U5.51 U5.52 U5.53 U5.54 U5.56 U5.57 U5.59 U5.61 U5.64 U5.65 U5.66 U5.68 U5.69 U5.70 U5.71 U5.74 U5.75 U5.77 U5.78 U5.79 U5.91 USB-DEVICE.5 USB-DEVICE.6 USB-HOST.5 USB-HOST.6
copper on no net: | length 14.5
  Top Layer w10: -30561.86,-19070 -30552.2,-19070 ; -30542.54,-19070 -30537.71,-19070

## Polygon pours and split planes (outlines as drawn)
GND on Top Layer "Bottom Layer-No Net" (solid, pour order 4): -34324,-15005 -34323.31,-15004.31 -30581.6,-15004.31 -30571.67,-15004.31 -30562.95,-15013.02 -30550.67,-15013.02 -30542.34,-15021.36 -30520.13,-15043.57 -30520.13,-15044.36 -30520.13,-15060.62 -30512.2,-15068.55 -30512.2,-15096.71 -30510.83,-15098.08 -30510.83,-18435.17 -30517.5,-18441.84 -30517.5,-18453.85 -30517.5,-18458.24 -30522.52,-18463.25 -30533.07,-18473.8 -30533.07,-18479.03 -30533.91,-18479.03 -30540.07,-18485.19 -30543.38,-18485.19 -30553.88,-18495.69 -30562.17,-18503.98 -30583.08,-18503.98 -30584.17,-18505.06 -30629.95,-18505.06 -30683.31,-18505.06 -30684.03,-18505.78 -30685.51,-18504.31 -34357.46,-18504.31 -34384.91,-18504.31 -34414.87,-18474.34 -34425.46,-18463.75 -34425.46,-18433.71 -34425.46,-18336.2 -34426.44,-18335.22 -34425.29,-18334.06 -34425.29,-15085.84 -34425.29,-15073.92 -34417.7,-15066.33 -34417.7,-15058.47 -34406.06,-15046.83 -34384.39,-15025.16 -34384.39,-15023.81 -34380.05,-15023.81 -34370.03,-15013.79 -34364.07,-15007.83 -34343.76,-15007.83 -34336.17,-15007.83 -34332.37,-15004.03 -34331.4,-15005 -34318,-15005
GND on Bottom Layer "Bottom Layer-No Net" (solid, pour order 6): -34338.92,-15006.57 -33588.66,-15006.57 -30575.4,-15006.57 -30572.09,-15009.87 -30553.57,-15009.87 -30535.69,-15027.76 -30535.69,-15031.59 -30518.44,-15048.83 -30518.44,-15061.61 -30512.06,-15067.99 -30512.06,-15078.21 -30508.86,-15081.41 -30512.06,-15084.6 -30512.06,-15115.9 -30512.06,-15223.82 -30511.41,-15224.46 -30510.65,-15225.23 -30510.65,-18438.73 -30510.65,-18443.41 -30518.58,-18451.35 -30518.58,-18462.52 -30527.59,-18471.53 -30538.77,-18482.71 -30543.81,-18482.71 -30557.15,-18496.05 -30563.64,-18502.54 -30581.31,-18502.54 -30615.2,-18502.54 -30617.36,-18504.7 -30659.54,-18504.7 -34382.36,-18504.7 -34393.01,-18494.06 -34405.52,-18481.55 -34409.39,-18481.55 -34409.39,-18477.65 -34421.6,-18465.45 -34426.97,-18460.08 -34426.97,-18432.68 -34426.97,-18395.44 -34427.27,-18395.14 -34426.69,-18394.55 -34426.69,-18276.25 -34426.69,-15096.71 -34426,-15096.02 -34426,-15075.99 -34416.36,-15066.35 -34416.36,-15057.37 -34405.27,-15046.29 -34405.27,-15038.9 -34396.83,-15030.45 -34389.97,-15030.45 -34377.3,-15017.78 -34369.37,-15009.86 -34357.78,-15009.86 -34352.51,-15004.59 -34346.16,-15004.59 -34324.41,-15004.59 -34324,-15005

## Keep-outs
Keep-Out Layer:
  lines w10: -34426,-15577 -34426,-18436.3 ccw(c-34357.46,-18435.77) -34356.93,-18504.3 ; -34426,-15575 -34426,-15096.02 ; -34426,-15097 cw(c-34326,-15105) -34318,-15005 ; -34357.46,-18504.31 -34300.05,-18504.31 ; -34324,-15005 -34283.25,-15005 -34217.75,-15005 -30598.58,-15005 ; -34307.66,-18504.31 -30598.21,-18504.31 ; -34183,-15005 -30602.16,-15005 ; -30600.88,-15005.02 -30590.48,-15005.3 cw(c-30592.68,-15085.96) -30512.02,-15088.16 ; -30598.23,-18504.32 ccw(c-30595.93,-18420.44) -30512.05,-18422.74 ; -30512,-18420.44 -30512,-18361 -30512,-15085.96 ; -30601,-15005 -30600.98,-15005

## Other copper
Top Layer:
  text "MADE IN 华东交通大学嵌入式实验室" at -33200.58,-18099.51 h60

## Silkscreen, mask and mechanical layers (free items; w line width, h text height)
Top Overlay:
  text "Nand" at -31998.97,-15058.49 h30
  text "5V" at -31716.3,-15061.32 h30
  text "Nor" at -32348.39,-15061.52 h30
  text "3.3V" at -31726.1,-15287.27 h30
  text "VDD18V" at -31040.71,-15605.64 h20
  text "VDD33V" at -31037.62,-15948.17 h20
  text "EMBEDE_LAB" at -33483,-16181 h30
  text "Mickey2440 SDK" at -30769.96,-18109.93 h100 r90
  text "mickeyos@gmail.com" at -30655.25,-18198.4 h100 r90
Bottom Overlay:
  text "+" at -31000.78,-17313.23 h30
  text "DM9000" at -31577.71,-17906.78 h60 r90
  text "+" at -30870.88,-18161.3 h30

## Text inside footprints (layer, text, board x,y; h text height)
LAN: Top Overlay "1" at -31083.63,-16725.03 h50 r90; Top Overlay "7" at -31096.69,-16344.74 h50 r90
LCD: Top Overlay "40" at -33532.17,-15182.72 h23.62; Top Overlay "41" at -33531.18,-15402.21 h23.62; Top Overlay "2" at -32635.51,-15180.75 h23.62; Top Overlay "1" at -32625.67,-15405.16 h23.62